# Allegro board 038RT-9068CJK8E-A100_0921_1.brd (continued)
## Routing (per net, layer and track width the routed paths; a pad name or vN(x,y) marks a point on that pad's centre or on a via; arc(x,y) is an arc through that point) (continued)
S0_DPS_AVDD33:
  vias: v1(265.77,205.82) v1(265.77,205.19) v1(265.77,203.66) v1(266.4,205.82) v1(266.4,205.19) v1(266.4,203.66) v2(325.13,24.38) v2(327.67,51.05) v2(327.67,49.78) v2(327.67,43.43) v2(327.67,35.18) v2(327.67,33.91) v2(327.67,27.56) v2(328.94,51.05) v2(328.94,49.78) v2(328.94,43.43) v2(328.94,35.18) v2(328.94,33.91) v2(328.94,27.56) v2(330.21,51.05) v2(330.21,49.78) v2(330.21,43.43) v2(330.21,35.18) v2(330.21,33.91) v2(330.21,27.56) v2(330.21,24.38) v2(332.75,51.05) v2(332.75,49.78) v2(332.75,43.43) v2(332.75,35.18) v2(332.75,33.91) v2(332.75,27.56) v2(334.02,51.05) v2(334.02,49.78) v2(334.02,43.43) v2(334.02,35.18) v2(334.02,33.91) v2(334.02,27.56) v2(335.29,51.05) v2(335.29,49.78) v2(335.29,43.43) v2(335.29,35.18) v2(335.29,33.91) v2(335.29,27.56)
S0_DPS_DVDD09:
  vias: v2(165.51,53.97) v2(165.51,52.71) v2(165.51,46.35) v2(165.51,34.93) v2(165.51,33.66) v2(165.51,27.31) v2(166.78,53.97) v2(166.78,52.71) v2(166.78,46.35) v2(166.78,34.93) v2(166.78,33.66) v2(166.78,27.31) v2(168.05,53.97) v2(168.05,52.71) v2(168.05,46.35) v2(168.05,43.18) v2(168.05,34.93) v2(168.05,33.66) v2(168.05,27.31) v2(168.05,24.13) v2(170.59,53.97) v2(170.59,52.71) v2(170.59,46.35) v2(170.59,34.93) v2(170.59,33.66) v2(170.59,27.31) v2(171.86,53.97) v2(171.86,52.71) v2(171.86,46.35) v2(171.86,34.93) v2(171.86,33.66) v2(171.86,27.31) v2(173.13,53.97) v2(173.13,52.71) v2(173.13,46.35) v2(173.13,43.18) v2(173.13,34.93) v2(173.13,33.66) v2(173.13,27.31) v2(173.13,24.13)
S0_DPS_DVDD33:
  vias: v1(292.04,182.02) v1(292.04,181.38) v2(317.41,50.16) v2(317.41,43.81) v2(318.68,50.16) v2(318.68,43.81) v2(319.95,50.16) v2(319.95,43.81) v2(335.29,24.38)
S0_DPS_GPIO_P015VDDIO:
  vias: v2(307.35,35.18) v2(307.35,33.91) v2(307.35,27.56) v2(308.62,35.18) v2(308.62,33.91) v2(308.62,27.56) v2(309.89,35.18) v2(309.89,33.91) v2(309.89,27.56) v2(309.89,24.38) v2(312.43,35.18) v2(312.43,33.91) v2(312.43,27.56) v2(313.7,35.18) v2(313.7,33.91) v2(313.7,27.56) v2(314.97,35.18) v2(314.97,33.91) v2(314.97,27.56) v2(314.97,24.38)
S0_DPS_LDOIN:
  vias: v1(290.14,182.02) v1(290.14,181.38) v2(317.51,35.18) v2(317.51,33.91) v2(317.51,27.56) v2(318.78,35.18) v2(318.78,33.91) v2(318.78,27.56) v2(320.05,35.18) v2(320.05,33.91) v2(320.05,27.56) v2(320.05,24.38) v2(322.59,35.18) v2(322.59,33.91) v2(322.59,27.56) v2(323.86,35.18) v2(323.86,33.91) v2(323.86,27.56) v2(325.13,35.18) v2(325.13,33.91) v2(325.13,27.56)
S0_DVDD09: length 48.1
  TOP w0.508: S0_DVDD09.1 285.61,191.57 286.62,192.58 v1(286.62,193.92)
  L15_SIGNAL w0.102: 286.5,198.7 286.5,211.38 286.23,211.65 285.47,211.65 v1(285.3,211.82)
  L15_SIGNAL w0.203: 286.5,198.7 286.9,198.3 287.47,198.3 288.82,196.95 v2(288.82,183.22)
  BOTTOM w0.203: ST1.1 v2(288.82,183.22)
  vias: v1(279.7,207.82) v1(279.7,207.02) v1(283.7,208.62) v1(284.5,211.82) v1(284.5,209.42) v1(284.5,207.82) v1(284.5,207.02) v1(284.5,206.22) v1(284.5,205.42) v1(285.3,209.42) v1(285.3,204.62) v1(285.3,203.82) v1(285.98,194.75) v1(285.98,193.92) v1(286.1,209.42) v1(286.1,204.62) v1(286.1,203.82) v1(286.62,194.75) v1(286.9,211.82) v1(286.9,204.62) v1(286.9,203.82)
S0_DVDD09_VO09: length 6.2
  TOP w3.048: K4.5 183.54,54.23 RD11.1
S0_DVDD33: length 12.3
  TOP w0.508: v1(296.09,188.94) 295.59,188.44 295.59,186.33 293.23,183.97 S0_DVDD33.1
  vias: v1(287.7,204.62) v1(287.7,203.82) v1(288.5,203.82) v1(288.5,200.59) v1(290.9,203.82) v1(295.6,190.4) v1(296.09,189.57)
S0_F_AVDD09:
  vias: v1(281.88,184.05) v1(281.88,183.41)
S0_F_DVDD09:
  vias: v1(281.57,181.95) v1(281.57,181.32) v1(282.2,181.95) v1(282.2,181.32)
S0_F_GPIO_VDDIO:
  vias: v1(274.65,182.02) v1(274.65,181.38)
S0_F_P0_1_5_VDDIO:
  vias: v1(265.77,213.44) v1(266.4,213.44) v1(305.98,205.67) v1(305.98,203.64) v1(306.61,205.67) v1(306.61,203.64)
S0_FE_LED0: length 20.9
  L05_SIGNAL w0.102: v1(289.3,203.82) 289.7,203.42 292.92,203.42
  L05_SIGNAL w0.105: v1(308.89,201.45) 308.52,201.08 297.47,201.08 295.14,203.42 292.92,203.42
S0_FE_LED1: length 24.6
  L05_SIGNAL w0.102: v1(289.3,203.02) 289.7,202.62 292.92,202.62
  L05_SIGNAL w0.105: v1(312.06,198.91) 310.84,200.13 296.54,200.13 293.92,202.74 293.04,202.74 292.92,202.62
S0_FE_MDI+: length 271.5
  L09_SIGNAL w0.1: 284.1,213.84 284.1,213.87 284.31,214.08 284.31,215.65 283.29,216.67 266.2,216.67 262.56,220.3 240.54,220.3 236.88,216.64 226.63,216.64 226.08,216.09 214.38,216.09 211.7,213.41 203.54,213.41 137.21,147.07 105.8,147.07 100.49,152.38 72.65,152.38 68.53,148.26 68.53,148.11 68.6,148.04 68.6,147.9 68.46,147.76 68.32,147.76 68.24,147.83 68.1,147.83 67.96,147.69 67.96,147.55 68.04,147.47 68.04,147.33 67.89,147.19 67.75,147.19 67.68,147.26 67.54,147.26 67.39,147.12 67.39,146.98 67.47,146.91 67.47,146.76 67.33,146.62 67.19,146.62 67.11,146.7 66.97,146.7 66.83,146.56 66.83,146.41 66.9,146.34 66.9,146.2 66.76,146.06 66.62,146.06 66.54,146.13 66.4,146.13 66.26,145.99 66.26,145.85 66.34,145.77 66.34,145.63 66.19,145.49 66.05,145.49 65.98,145.57 65.84,145.57 65.69,145.42 65.69,145.28 65.77,145.21 65.77,145.07 65.63,144.92 65.49,144.92 65.41,145 65.27,145 64.63,144.36 62.14,144.36 61.1,145.4 61.1,148.51 61,148.61 K56.3
  L09_SIGNAL w0.102: 284.1,213.84 284.1,213.02 v1(283.7,212.62)
S0_FE_MDI-: length 271.5
  L09_SIGNAL w0.1: K56.6 61.57,148.61 61.47,148.51 61.47,145.55 62.29,144.73 64.48,144.73 72.5,152.74 100.64,152.74 105.95,147.43 137.05,147.43 203.39,213.77 211.55,213.77 214.23,216.45 225.93,216.45 226.48,217.01 236.73,217.01 240.39,220.67 262.71,220.67 266.35,217.03 283.45,217.03 284.68,215.8 284.68,214.08 284.9,213.86 284.9,213.84
  L09_SIGNAL w0.102: 284.9,213.84 284.9,212.45 284.66,212.22 283.3,212.22 v1(282.9,212.62)
S0_FE_MDIX+: length 284
  L09_SIGNAL w0.1: 281.53,213.02 280.03,214.52 277.39,214.52 274.7,211.82 264.98,211.82 261.18,215.62 245.67,215.62 244.6,216.69 239.5,216.69 237.88,215.06 227.48,215.06 226.91,214.49 220.22,214.49 213.67,207.94 203.42,207.94 145.09,149.61 145.09,140.49 142.36,137.76 102.26,137.76 93.65,146.37 71.5,146.37 66.76,141.63 55.21,141.63 54.06,142.78 54.06,148.51 53.96,148.61 K52.3
  L09_SIGNAL w0.102: 281.53,213.02 282.5,213.02 v1(282.9,213.42)
S0_FE_MDIX-: length 284
  L09_SIGNAL w0.1: K52.6 54.52,148.61 54.42,148.51 54.42,142.93 55.36,141.99 66.61,141.99 67.5,142.88 67.5,143.02 67.44,143.08 67.44,143.22 67.59,143.36 67.73,143.36 67.78,143.31 67.92,143.31 68.06,143.45 68.06,143.59 68.01,143.64 68.01,143.78 68.15,143.93 68.29,143.93 68.35,143.87 68.49,143.87 68.63,144.02 68.63,144.16 68.58,144.21 68.58,144.35 68.72,144.49 68.86,144.49 68.91,144.44 69.05,144.44 69.2,144.58 69.2,144.72 69.14,144.77 69.14,144.92 69.29,145.06 69.43,145.06 69.48,145.01 69.62,145.01 69.76,145.15 69.76,145.29 69.71,145.34 69.71,145.48 69.85,145.62 69.99,145.62 70.05,145.57 70.19,145.57 71.34,146.73 93.8,146.73 102.41,138.12 142.21,138.12 144.73,140.64 144.73,149.76 203.27,208.31 213.52,208.31 220.07,214.86 226.76,214.86 227.33,215.43 237.72,215.43 239.35,217.05 244.75,217.05 245.82,215.99 261.33,215.99 265.13,212.19 274.55,212.19 277.24,214.88 280.18,214.88 281.08,213.99 281.08,213.99 281.68,213.38
  L09_SIGNAL w0.102: 281.68,213.38 282.06,213.38 v1(282.1,213.42)
S0_GPIO_VDDIO: length 37.6
  TOP w0.508: v1(276.59,190.97) 276.34,190.72 276.34,185.83 273.21,182.7 273.21,180.7 274.81,179.1 S0_GPIO_VDDIO.1
  L15_SIGNAL w0.102: 279.3,199.45 279.3,204.23 v1(279.7,204.62)
  L15_SIGNAL w0.203: 279.3,199.45 279.44,199.31 279.44,194.05 278.7,193.3 v2(278.7,183.43)
  BOTTOM w0.203: ST6.1 v2(278.7,183.43)
  vias: v1(276.59,191.6) v1(279.7,203.02) v1(279.7,201.42) v1(282.1,204.62) v1(282.1,202.22) v1(282.1,201.42) v1(282.9,205.42) v1(284.5,204.62) v1(284.5,203.02)
S0_GPIOA_0: length 59.3
  L07_SIGNAL w0.105: v1(278.1,205.42) 277.5,206.02 276.67,206.02 276.17,206.51 270.06,206.51 268.33,208.24 265.31,208.24 261.67,211.89 244.68,211.89 236.33,220.23 226.19,220.23 v1(225.31,221.11)
S0_GPIOA_1: length 147.1
  L36_SIGNAL w0.105: v1(278.1,204.62) 276.8,204.62 276.52,204.91 269.2,204.91 267.54,206.56 264.63,206.56 262.72,208.46 251.3,208.46 242.96,216.8 223.83,216.8 211.34,229.28 201.94,229.28 196.05,235.18 168.4,235.18 162.36,229.14 153.31,229.14 150.5,226.33 150.5,224.06 v1(151.16,223.4)
S0_GPIOA_2: length 144
  L36_SIGNAL w0.105: v1(278.1,203.82) 275.81,203.82 274.94,202.95 268.53,202.95 267.17,204.31 265.26,204.31 261.88,207.69 248.55,207.69 240.82,215.42 223.42,215.42 210.66,228.18 201.02,228.18 195.67,233.53 168.09,233.53 162.76,228.2 153.63,228.2 151.16,225.72 v1(151.16,224.93)
S0_GPIOA_3: length 57.5
  L07_SIGNAL w0.105: v1(225.31,210.11) 227.62,207.79 241.29,207.79 248.19,200.9 275.97,200.9 v1(278.1,203.02)
S0_GPIOB_0: length 61.8
  L07_SIGNAL w0.102: v1(278.9,205.42) 278.5,205.82 278.5,206.52 278.4,206.62 277.68,206.62
  L07_SIGNAL w0.105: v1(225.31,224.26) 228.56,221 236.9,221 243.27,214.63 262.41,214.63 265.45,211.59 267.72,211.59 271.72,207.59 275.88,207.59 276.85,206.62 277.68,206.62
S0_GPIOB_1: length 59.4
  L07_SIGNAL w0.102: v1(278.9,204.62) 278.5,204.22 277.92,204.22
  L07_SIGNAL w0.105: 277.92,204.22 277.66,204.48 265.19,204.48 261.98,207.69 245.37,207.69 236.39,216.67 226.55,216.67 v1(225.31,217.91)
S0_GPIOB_2: length 58.7
  L07_SIGNAL w0.102: 277.87,203.42 278.5,203.42 v1(278.9,203.82)
  L07_SIGNAL w0.105: v1(225.31,213.31) 227.33,211.29 239.23,211.29 246.2,204.32 262.4,204.32 264.37,202.34 276.63,202.34 277.45,203.16 277.6,203.16 277.87,203.42
S0_GPIOC_0: length 65.2
  L07_SIGNAL w0.102: 277.68,207.42 280.01,207.42 280.1,207.33 280.1,205.82 v1(280.5,205.42)
  L07_SIGNAL w0.105: v1(225.31,227.46) 228.33,224.43 235.17,224.43 244.18,215.42 262.99,215.42 265.54,212.87 267.25,212.87 271.62,208.5 275.93,208.5 277.01,207.42 277.68,207.42
S0_GPIOC_1: length 67.8
  L07_SIGNAL w0.102: v1(281.3,205.42) 280.9,205.82 280.9,208.08 280.76,208.22 277.68,208.22
  L07_SIGNAL w0.105: v1(225.31,230.66) 230.68,225.28 235.45,225.28 240.07,220.67 242.05,220.67 246.48,216.24 268.46,216.24 275.62,209.07 276.17,209.07 277.02,208.22 277.68,208.22
S0_H_SW_CTRL: length 2.4
  BOTTOM w0.115: R137.2 S0_SW_CTRL.1
S0_HOLD: length 27
  L03_SIGNAL w0.102: 292.92,203.42 290.5,203.42 v1(290.1,203.82)
  L03_SIGNAL w0.145: v1(315.24,201.45) 314.58,202.11 307.84,202.11 306.75,201.02 297.37,201.02 294.97,203.42 292.92,203.42
S0_INH: length 319.7
  L17_SIGNAL w1.016: 277.13,207.15 276.66,206.68 271.33,206.68 267.34,202.69 264.9,202.69 264.18,201.97 264.18,199.78 260.69,196.29 260.69,183.95 244.89,168.16 212.81,168.16 150.71,106.06 131.84,106.06 78.64,52.86 78.64,42.69 80.96,40.36 102.16,40.36 103.04,41.25 108.49,41.25 K6.5
  BOTTOM w1.016: R360.1 R275.1 K6.5
  vias: v1(280.5,207.02)
S0_INH_DIV2: length 4.3
  BOTTOM w1.016: R360.2 R361.1 K6.3
S0_INH_GND: length 9.4
  BOTTOM w1.016: K6.9 109.92,32.2 R361.2
S0_L_SW_CTRL: length 2
  BOTTOM w0.115: R138.2 S0_SW_CTRL.3
S0_LB_FE_MDI+: length 24.7
  L44_SIGNAL w0.1: v2(41.89,39.53) 41.69,39.73 39.58,39.73 39.16,40.14 36.18,40.14 34.95,41.37 34.14,41.37 33.83,41.68 33.83,42.67 34.19,43.04 35.03,43.04 35.22,43.23 38.92,43.23 39.18,43.48 39.18,44.36 38.81,44.73 36.85,44.73 v2(36.65,44.53)
  BOTTOM w0.105: v2(36.65,44.53) 36.8,44.68 39.25,44.68 U6.43 ; v2(41.89,39.53) 41.75,39.68 39.29,39.68 U6.53
S0_LB_FE_MDI-: length 24.7
  L44_SIGNAL w0.1: v2(41.89,40.29) 41.69,40.09 39.73,40.09 39.32,40.5 36.33,40.5 35.1,41.73 34.29,41.73 34.19,41.83 34.19,42.52 34.34,42.67 35.18,42.67 35.37,42.86 39.08,42.86 39.54,43.33 39.54,44.51 38.96,45.09 36.85,45.09 v2(36.65,45.29)
  BOTTOM w0.105: U6.52 39.29,40.14 41.75,40.14 v2(41.89,40.29) ; v2(36.65,45.29) 36.8,45.14 39.25,45.14 U6.42
S0_LB_FE_MDIX+: length 33.8
  L44_SIGNAL w0.1: v2(36.65,36.53) 36.45,36.73 35.76,36.73 35.45,37.05 35.45,38.55 35.76,38.87 37.93,38.87 40.19,36.61 42.34,36.61 43.29,37.56 43.29,46.58 42.14,47.73 36.85,47.73 v2(36.65,47.53)
  BOTTOM w0.105: U6.59 39.25,36.68 36.8,36.68 v2(36.65,36.53) ; U6.37 39.25,47.68 36.8,47.68 v2(36.65,47.53)
S0_LB_FE_MDIX-: length 33.8
  L44_SIGNAL w0.1: v2(36.65,48.29) 36.85,48.09 42.29,48.09 43.65,46.73 43.65,37.41 42.49,36.25 40.04,36.25 37.78,38.5 35.91,38.5 35.81,38.4 35.81,37.2 35.91,37.09 36.45,37.09 v2(36.65,37.29)
  BOTTOM w0.105: U6.36 39.25,48.14 36.8,48.14 v2(36.65,48.29) ; U6.58 39.25,37.14 36.8,37.14 v2(36.65,37.29)
S0_LB_P2_GIGA_MDI+: length 14.8
  L46_SIGNAL w0.136: v3(38.42,228.13) 38.53,228.24 38.53,229.22 39.02,229.71 39.92,229.71 40.26,230.05 40.26,230.97 v3(40.16,231.07)
  BOTTOM w0.105: K144.23 41.66,232.7 40.91,232.7 40.25,232.05 40.25,231.17 v3(40.16,231.07) ; K144.25 41.66,233.7 40.23,233.7 38.52,231.99 38.52,228.23 v3(38.42,228.13)
S0_LB_P2_GIGA_MDI-: length 14.8
  L46_SIGNAL w0.136: v3(39.08,228.13) 38.98,228.24 38.98,229.03 39.21,229.26 40.11,229.26 40.71,229.86 40.71,230.97 v3(40.82,231.07)
  BOTTOM w0.105: v3(40.82,231.07) 40.72,231.17 40.72,231.85 41.1,232.24 41.66,232.24 K144.22 ; K144.24 41.66,233.24 40.42,233.24 38.99,231.8 38.99,230.07 39.17,229.88 39.79,229.88 39.97,229.7 39.97,229.44 39.79,229.25 39.17,229.25 38.99,229.07 38.99,228.23 v3(39.08,228.13)
S0_LB_P3_GIGA_MDI+: length 15
  L46_SIGNAL w0.136: v3(37.85,237.3) 37.75,237.2 36.99,237.2 36.61,237.57 36.61,238.99 36.13,239.47 35.52,239.47 v3(35.41,239.58)
  BOTTOM w0.105: K144.34 41.66,238.2 39.35,238.2 38.07,239.48 35.51,239.48 v3(35.41,239.58) ; v3(37.85,237.3) 37.95,237.2 41.66,237.2 K144.32
S0_LB_P3_GIGA_MDI-: length 15
  L46_SIGNAL w0.136: v3(35.41,238.92) 35.52,239.02 35.94,239.02 36.16,238.8 36.16,237.38 36.8,236.74 37.75,236.74 v3(37.85,236.64)
  BOTTOM w0.105: v3(37.85,236.64) 37.95,236.74 41.66,236.74 K144.31 ; K144.33 41.66,237.74 39.16,237.74 37.88,239.02 35.51,239.02 v3(35.41,238.92)
S0_LDOIN: length 32.4
  TOP w0.508: S0_LDOIN.1 290.69,180.49 291.07,180.87 291.07,190.02 v1(292.06,191)
  L15_SIGNAL w0.102: v1(287.7,207.82) 288.1,207.42 288.1,198.6
  L15_SIGNAL w0.105: 288.1,198.6 288.1,198.6 288.12,198.58
  L15_SIGNAL w0.203: v2(292.79,193.2) 290.93,193.2 290.02,194.11 290.02,196.67 288.12,198.58
  BOTTOM w0.203: ST3.1 v2(292.79,193.2)
  vias: v1(282.9,207.02) v1(282.9,206.22) v1(286.9,207.82) v1(286.9,207.02) v1(287.7,207.02) v1(292.06,191.64)
S0_MCT1: length 5.2
  TOP w0.115: R134.1 v2(51.73,128.61) ; T12.2 v2(54.59,128.61)
  L03_SIGNAL w0.145: v2(51.73,128.61) v2(54.59,128.61)
  BOTTOM w0.115: R134.1 v2(51.73,128.61)
S0_MCT2: length 5
  TOP w0.115: T12.7 v2(60.94,128.61) ; R133.1 v2(57.76,128.61)
  L03_SIGNAL w0.145: v2(57.76,128.61) v2(60.94,128.61)
S0_MCT_RC: length 8.7
  L03_SIGNAL w0.145: v2(49.51,127.36) 49.85,127.02 v2(51.73,127.02) 52.05,127.34 57.45,127.34 v2(57.76,127.02)
S0_NGATE:
  vias: v1(281.3,209.42)
S0_OE_K144: length 22.9
  BOTTOM w0.115: K144.1 45.66,240.34 46.94,241.62 52.47,241.62 53.49,240.6 53.49,235.49 52.5,234.49 RL18.1 50.05,234.8 50.05,235.02 49.84,235.23 47.98,235.23 47.5,235.72 K144.10
S0_OE_K145: length 9.5
  L42_SIGNAL w0.105: v1(27.08,225.34) 27.08,226.03 v1(23.86,229.24)
  BOTTOM w0.115: K145.10 25.94,230.37 25.29,229.71 24.64,229.71 24.17,229.24 v1(23.86,229.24) ; K145.1 v1(27.08,225.34)
S0_OE_K184: length 14.2
  BOTTOM w0.115: K184.1 139.69,224.78 140.6,225.68 141.94,225.68 143.88,223.74 RL21.1 143.25,220.14 140.6,220.14 140.46,220.28 K184.10
S0_OE_K213: length 15.4
  BOTTOM w0.115: K213.10 254.71,188.32 254.85,188.19 258.18,188.19 RL42.1 258.56,189.08 258.56,191.79 256.62,193.73 254.84,193.73 253.94,192.82 K213.1
S0_OE_K214: length 14.1
  BOTTOM w0.115: K214.10 232.5,188.32 232.63,188.19 235.13,188.19 RL44.1 235.92,188.97 235.92,191.79 233.98,193.73 232.63,193.73 231.73,192.82 K214.1
S0_OE_K217: length 8.3
  BOTTOM w0.115: K217.10 140.63,204.12 140.86,204.35 140.86,204.98 141.25,205.37 RL39.1 141.51,207.24 140.13,208.62 K217.1
S0_P0_LDOOUT:
  vias: v1(282.9,207.82) v1(283.7,207.82)
S0_P0_LED: length 20.5
  L05_SIGNAL w0.102: v1(289.3,207.82) 289.7,207.42 292.92,207.42
  L05_SIGNAL w0.105: 292.92,207.42 293.01,207.33 295.64,207.33 297.38,209.07 v1(308.89,209.07)
S0_P0_MDI+: length 28.8
  TOP w0.105: SITE0.A3 279.53,213.59 279.53,214.06 279.05,214.55 277.45,214.55 275.26,212.36 265.87,212.36 263.45,209.93 263.45,206.41 261.87,204.83 259.12,204.83 259.01,204.93 K60.3
S0_P0_MDI-: length 28.8
  TOP w0.105: K60.6 259.01,204.26 259.12,204.36 262.06,204.36 263.91,206.22 263.91,206.51 264.04,206.63 264.13,206.63 264.25,206.76 264.25,206.93 264.13,207.05 264.04,207.05 263.91,207.18 263.91,207.35 264.04,207.47 264.13,207.47 264.25,207.6 264.25,207.77 264.13,207.89 264.04,207.89 263.91,208.02 263.91,209.74 266.06,211.89 275.45,211.89 277.64,214.08 278.85,214.08 279.06,213.87 279.06,213.59 SITE0.A2
S0_P0_RXC: length 140.1
  L13_SIGNAL w0.105: v1(278.1,208.62) 276.93,208.62 274.06,211.49 268.49,211.49 267.9,212.09 248.01,212.09 243.56,216.54 223.41,216.54 213.03,226.93 199.73,226.93 198.85,227.8 185.97,227.8 184.45,229.33 184.45,231.49 183.85,232.08 181.61,232.08 180.85,231.32 180.85,228.43 180.06,227.65 170.25,227.65 169.49,228.41 169.49,231.79 168.88,232.4 166.23,232.4 165.69,231.86 165.69,224.52 166.82,223.4 v1(166.92,223.4)
S0_P0_RXD0: length 131.4
  L13_SIGNAL w0.102: 277.85,205.82 278.5,205.82 v1(278.9,206.22)
  L13_SIGNAL w0.105: 277.85,205.82 277.59,205.56 275.59,205.56 274.9,206.25 271.13,206.25 269.38,204.5 222.18,204.5 219.61,207.07 219.61,215.54 211.99,223.16 196.13,223.16 195.68,223.61 185.06,223.61 184.46,224.21 182.56,224.21 182,224.77 169.68,224.77 168.16,226.29 168.16,229.9 v1(166.92,231.14)
S0_P0_RXD1: length 106.6
  L13_SIGNAL w0.105: v1(182.68,224.93) 184.54,224.93 185.28,224.19 196.99,224.19 197.39,223.79 212.52,223.79 220.34,215.96 220.34,210.78 223.64,207.48 262.45,207.48 263.53,206.41 270.44,206.41 270.94,206.91 275.17,206.91 275.86,206.22 v1(278.1,206.22)
S0_P0_RXD2: length 132.7
  L13_SIGNAL w0.102: v1(278.9,207.02) 279.3,206.62 279.3,205.15 279.17,205.02 277.83,205.02
  L13_SIGNAL w0.105: 277.83,205.02 277.7,204.88 270.79,204.88 269.12,203.21 264.09,203.21 262.08,201.19 221.13,201.19 217.37,204.96 217.37,216.61 212.66,221.31 183.43,221.31 180.7,224.05 169.54,224.05 168.67,224.93 v1(166.92,224.93)
S0_P0_RXD3: length 142.5
  L13_SIGNAL w0.105: v1(166.92,217.19) 166.49,217.62 166.49,221.84 167.42,222.78 167.42,223.63 166.27,224.77 166.27,231.61 166.4,231.74 168.52,231.74 168.91,231.35 168.91,228.07 169.94,227.04 183.42,227.04 185.69,224.77 199.71,224.77 200.1,224.38 213.08,224.38 221.16,216.3 221.16,211.12 223.98,208.3 269.36,208.3 269.99,207.67 275.52,207.67 276.17,207.02 v1(278.1,207.02)
S0_P0_RXDV: length 135.5
  L13_SIGNAL w0.102: 277.83,204.22 279.89,204.22 280.1,204.43 280.1,207.31 279.99,207.42 279.3,207.42 v1(278.9,207.82)
  L13_SIGNAL w0.105: 277.83,204.22 271.07,204.22 269.39,202.54 264.37,202.54 262.36,200.53 220.86,200.53 216.71,204.68 216.71,216.33 212.39,220.65 183.05,220.65 182.46,221.25 169.45,221.25 v1(166.92,218.72)
S0_P0_RXER: length 105.7
  L13_SIGNAL w0.105: v1(182.68,231.14) 183.26,230.56 183.26,229.53 185.54,227.25 198.41,227.25 199.41,226.24 212.74,226.24 223.13,215.86 243.27,215.86 247.73,211.4 265.73,211.4 266.7,210.43 269.49,210.43 271.46,208.47 275.85,208.47 276.5,207.82 v1(278.1,207.82)
S0_P0_TESTD: length 110.1
  L07_SIGNAL w0.102: 277.68,209.87 277.73,209.82 278.4,209.82 278.5,209.72 278.5,209.02 v1(278.9,208.62)
  L07_SIGNAL w0.105: 277.68,209.87 277.58,209.97 276.56,209.97 273.45,213.07 273.45,214.01 269.99,217.47 263.99,217.47 257.58,223.87 244.62,223.87 236.91,231.59 222.41,231.59 214.93,224.11 183.39,224.11 v1(182.68,223.4)
S0_P0_TXC: length 101.3
  L11_SIGNAL w0.102: 277.85,209.02 278.26,209.02 278.5,209.25 278.5,209.82 v1(278.9,210.22)
  L11_SIGNAL w0.105: v1(182.68,218.72) 183.3,218.1 195.21,218.1 198.31,215 214.76,215 217.99,211.77 262.46,211.77 264.02,210.21 269.29,210.21 270.75,208.74 277.58,208.74 277.85,209.02
S0_P0_TXD0: length 84
  L11_SIGNAL w0.102: 277.85,210.62 278.5,210.62 v1(278.9,211.02)
  L11_SIGNAL w0.105: v1(198.44,218.72) 198.75,218.41 213.69,218.41 216.37,215.73 261.81,215.73 265.42,212.12 274.95,212.12 276.45,210.62 277.85,210.62
S0_P0_TXD1: length 103.2
  L11_SIGNAL w0.105: v1(278.1,211.02) 277.86,211.26 276.71,211.26 275.21,212.76 265.69,212.76 262.08,216.37 216.86,216.37 212.58,220.65 183.03,220.65 182,219.61 182,217.87 v1(182.68,217.19)
S0_P0_TXD2: length 120
  L11_SIGNAL w0.102: 277.85,212.22 278.5,212.22 v1(278.9,211.82)
  L11_SIGNAL w0.105: v1(166.92,229.61) 167.14,229.83 180.99,229.83 181.55,230.39 183.05,230.39 185.88,227.57 195.56,227.57 201.3,221.83 226.1,221.83 227.06,220.86 236.93,220.86 238.26,219.53 260.49,219.53 262.54,217.48 262.54,217.48 265.36,214.66 275.12,214.66 277.41,212.38 277.69,212.38 277.85,212.22
S0_P0_TXD3: length 102.8
  L11_SIGNAL w0.105: v1(278.1,211.82) 277.17,211.82 274.89,214.1 265.13,214.1 262.31,216.93 262.3,216.93 260.31,218.92 237.98,218.92 236.6,220.3 214.17,220.3 213.2,221.27 201.07,221.27 195.43,226.9 185.39,226.9 v1(182.68,229.61)
S0_P0_TXEN: length 83.2
  L11_SIGNAL w0.105: v1(278.1,210.22) 277.83,209.95 276.17,209.95 274.67,211.45 265.14,211.45 261.54,215.06 216.09,215.06 213.41,217.74 198.98,217.74 v1(198.44,217.19)
S0_P0_VDDIO: length 0.8
  BOTTOM w0.508: v1(278.1,212.62) 277.32,212.62 CD138.1
  vias: v1(273.96,215.23) v1(274.6,215.23) v1(278.1,209.42) v1(278.9,209.42)
S0_P1_LDOOUT:
  vias: v1(287.7,206.22) v1(287.7,205.42)
S0_P1_LED: length 22.8
  L03_SIGNAL w0.102: v1(290.1,207.02) 290.5,206.62 292.92,206.62
  L03_SIGNAL w0.145: v1(312.06,206.53) 311.21,207.38 307.58,207.38 307.16,206.96 294.98,206.96 294.63,206.62 292.92,206.62
S0_P1_MDI+: length 67.1
  L03_SIGNAL w0.136: v1(280.5,212.62) 280.32,212.79 280.32,213.45 279.17,214.6 277.07,214.6 275.02,212.55 268.31,212.55 267.71,211.96 265.4,211.96 261.88,208.43 226.61,208.43 225.8,207.61 225.8,205.09 226.51,204.37 229.86,204.37 230,204.24 K64.3
S0_P1_MDI-: length 67.1
  L03_SIGNAL w0.136: v1(279.7,212.62) 279.87,212.79 279.87,213.26 278.98,214.15 277.26,214.15 275.21,212.1 274.82,212.1 274.66,211.94 274.66,211.7 274.5,211.54 274.28,211.54 274.12,211.7 274.12,211.94 273.96,212.1 273.73,212.1 273.58,211.94 273.58,211.7 273.42,211.54 273.19,211.54 273.03,211.7 273.03,211.94 272.87,212.1 272.65,212.1 272.49,211.94 272.49,211.7 272.33,211.54 272.1,211.54 271.94,211.7 271.94,211.94 271.79,212.1 268.5,212.1 267.9,211.5 265.59,211.5 262.07,207.98 226.8,207.98 226.25,207.43 226.25,205.28 226.7,204.82 229.86,204.82 230,204.96 K64.6
S0_P1_RXC: length 52.8
  L07_SIGNAL w0.102: v1(291.7,202.22) 292.1,202.62 292.1,202.62 292.9,202.62 292.92,202.64
  L07_SIGNAL w0.105: v1(274.78,223.87) 274.09,224.56 274.09,226.06 277.02,228.99 288.83,228.99 289.51,228.32 289.51,226.16 292.34,223.33 292.34,221.56 297.15,216.75 297.15,205.43 294.37,202.64 292.92,202.64
  BOTTOM w0.115: RR534.1 v1(274.78,223.87) RR524.1
S0_P1_RXD0: length 32.4
  L07_SIGNAL w0.102: v1(291.7,204.62) 290.5,205.82 290.5,213.84
  L07_SIGNAL w0.105: 290.5,213.84 290.5,215.87 288.35,218.02 282.51,218.02 281.8,218.73 281.8,225.09 281.38,225.5 280.48,225.5 v1(278.85,223.87)
  BOTTOM w0.115: RR520.1 v1(278.85,223.87) RR530.1
S0_P1_RXD1: length 46.9
  L07_SIGNAL w0.105: v1(276.81,220.06) 277.48,220.73 277.48,221.46 276.29,222.65 276.29,225.87 278.16,227.73 286.99,227.73 287.17,227.54 287.17,225.92 290.52,222.58 290.52,220.34 295.33,215.53 295.33,206.61 293.34,204.62 v1(292.5,204.62)
  BOTTOM w0.115: RR521.1 v1(276.81,220.06) RR531.1
S0_P1_RXD2: length 29.7
  L07_SIGNAL w0.102: v1(291.7,203.82) 291.3,204.22 289.82,204.22 289.7,204.34 289.7,213.84
  L07_SIGNAL w0.105: v1(280.88,223.87) 280.18,223.17 280.18,218.87 282.11,216.94 287.4,216.94 289.7,214.64 289.7,213.84
  BOTTOM w0.115: RR532.1 v1(280.88,223.87) RR522.1
S0_P1_RXD3: length 52.5
  L07_SIGNAL w0.105: v1(292.5,203.82) 292.66,203.98 293.5,203.98 295.89,206.38 295.89,216.24 291.09,221.04 291.09,222.81 287.74,226.16 287.74,227.78 287.22,228.3 277.69,228.3 275.73,226.34 275.73,222.4 276.25,221.89 276.25,219.91 276.61,219.55 278.33,219.55 v1(278.85,220.06)
  BOTTOM w0.115: RR523.1 v1(278.85,220.06) RR533.1
S0_P1_RXDV: length 31.4
  L07_SIGNAL w0.102: v1(291.7,203.02) 291.3,203.42 289.13,203.42 288.9,203.66 288.9,213.84
  L07_SIGNAL w0.105: 288.9,213.84 288.9,214.03 288.64,214.28 283.8,214.28 280.47,217.61 275.91,217.61 275.34,218.18 275.34,219.5 v1(274.78,220.06)
  BOTTOM w0.115: RR535.1 v1(274.78,220.06) RR525.1
S0_P1_TXC: length 225.7
  L11_SIGNAL w0.105: v1(104.26,230.1) 105.19,231.03 105.19,232.5 105.61,232.92 127.09,232.92 127.5,233.34 135.62,233.34 138.48,236.2 162.22,236.2 163.98,237.96 179.73,237.96 182.14,235.55 184.89,235.55 185.14,235.3 196,235.3 197.53,233.77 216.65,233.77 220.34,230.08 238.78,230.08 240.23,228.64 262.94,228.64 263.59,229.29 286.93,229.29 289.84,226.38 289.84,221.54 296.4,214.98 296.4,209.78 296.68,209.5 296.68,206.45 293.97,203.74 293.97,201.93 293.47,201.42 v1(292.5,201.42)
  BOTTOM w0.115: RR504.1 v1(104.26,230.1) RR514.1
S0_P1_TXD0: length 238.1
  L11_SIGNAL w0.105: v1(98.16,230.1) 102.76,234.7 126.33,234.7 126.91,235.28 131.09,235.28 131.09,235.29 131.22,235.29 133.83,237.89 135.05,237.89 136.42,239.26 162.1,239.26 162.47,239.63 180.45,239.63 182.1,237.97 197.12,237.97 199.6,235.5 218.14,235.5 220.81,232.82 226.13,232.82 227.05,231.91 285.88,231.91 286.83,230.96 287.62,230.96 291.51,227.07 291.51,222.23 298.06,215.67 298.06,210.47 299.44,209.1 299.44,205.51 298.73,204.8 298.46,204.8 296.15,202.5 296.15,201.5 294.13,199.48 292.84,199.48 v1(292.5,199.82)